# KiCad board fpgaboard.kicad_pcb (continued)
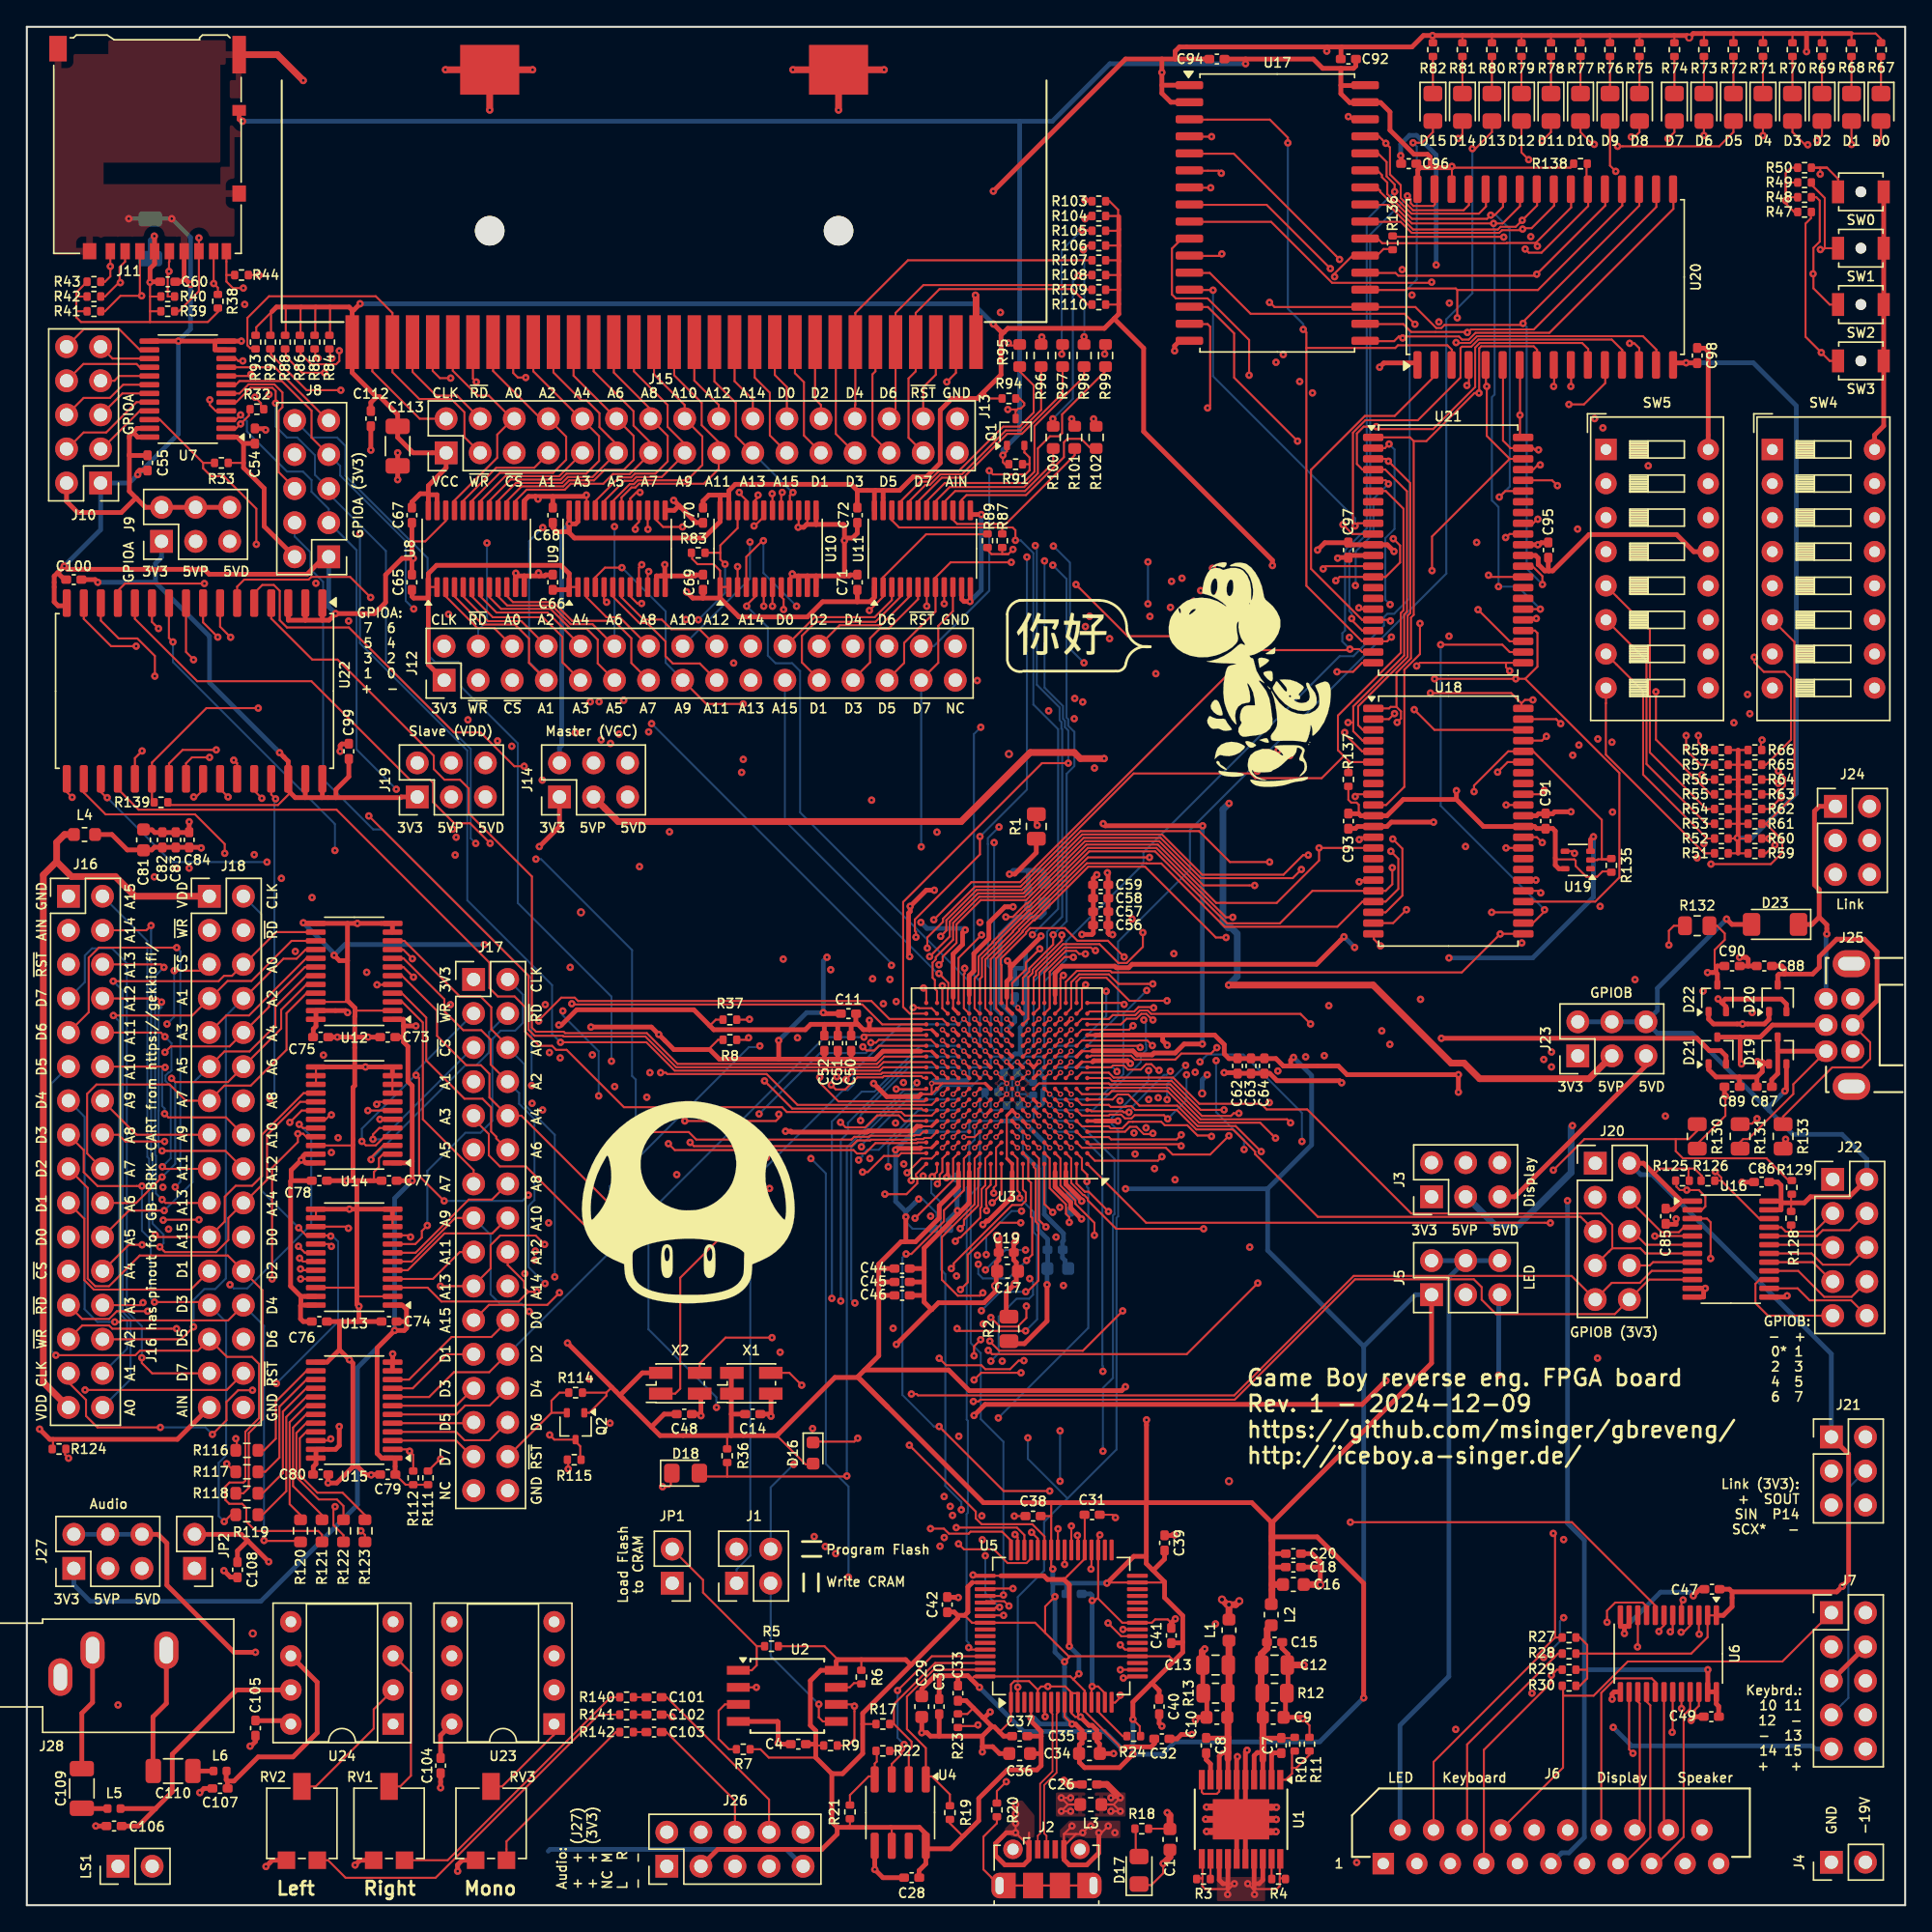
[diagram p0: board, top side]
## Routing (per net, layer and track width the routed paths; a pad name or vN(x,y) marks a point on that pad's centre or on a via; arc(x,y) is an arc through that point) (continued)
VCC: length 352.6
  Top w0.15: 19.3,116.95 19.3,119.1 19.29,119.11 ; 81.39,121.5 80.35,121.5 ; 17.1,116.95 17.1,117.61 18.27,118.78 18.2,118.71 18.2,116.95 ; 80.35,122.6 81.34,122.6 81.39,122.55 ; 80.35,123.7 81.39,123.7 ; 80.35,120.4 81.39,120.4 ; 81.39,119.35 81.34,119.3 80.35,119.3 ; 80.35,125.9 81.34,125.9 ; 81.34,125.9 81.39,125.85 ; 81.34,125.9 81.34,126.36 80.7,127 80.35,127 ; 72.75,112.3 71.76,112.3 71.3,112.76 ; 22.6,116.95 22.6,119.1 22.59,119.11 ; 20.44,119.11 20.4,119.07 20.4,116.95 ; 21.54,119.11 21.5,119.07 21.5,116.95 ; 80.35,124.8 81.29,124.8 81.39,124.9
  Top w0.35: 29.92,104.36 29.92,104.47 ; 29.92,104.36 29.92,103.95 ; 29.92,104.36 29.92,104.47 ; 29.92,104.47 29.92,105.2 ; 25.64,111.35 25.64,112 26.04,112.4 26.04,112.43 ; 81.04,118.25 83.24,116.05 83.24,109.84 92.84,100.24 v1(92.84,99.85) ; 81.04,118.25 81.39,118.6 81.39,125.85 ; 81.04,118.25 80.32,117.53 73.12,117.53 72.84,117.25 ; v1(24.84,119.36) 24.36,118.89 24.25,118.89 ; 51.7,105.1 52.22,105.1 52.33,105.2 ; 51.7,105.1 51.67,105.08 U10.24 51.67,103.12 50.45,101.9 40.81,101.9 40.43,102.28 v1(40.43,102.96) ; 51.7,105.1 50.84,105.1 50.4,104.66 50.4,104.15 ; 30.58,103.95 30.58,105.12 30,105.12 29.92,105.2 ; 61.89,105.45 61.44,105.9 52.8,105.9 52.33,105.42 52.33,105.2 ; 61.89,105.45 61.9,105.44 61.9,104.15 ; 61.89,105.45 63.24,105.45 ; 72.84,117.25 72.64,117.25 v1(72.04,117.85) ; 72.84,117.25 72.61,117.02 72.61,114.07 70.84,112.3 68.95,112.3 68.08,111.43 68.08,107.49 67.05,106.46 66.06,106.46 65.05,105.45 63.8,105.45 ; 52.33,105.2 52.33,103.95 ; 29.92,105.2 29.32,105.2 28.7,104.58 28.7,104.15 ; 29.92,105.2 29.92,105.8 31.25,107.12 J13.1 28.79,108.25 27.64,109.4 27.64,111.1 26.31,112.43 26.04,112.43 ; 63.24,105.45 63.8,105.45 ; 63.24,105.45 63.17,105.38 63.17,103.95 ; 24.25,118.89 24.02,119.11 18.6,119.11 18.27,118.78 ; 24.25,118.89 J15.1 24.25,114.22 26.04,112.43 ; 40.42,103.95 40.42,103.54 ; 40.42,103.54 40.42,103.43 ; 40.42,103.54 40.42,103.43 ; 40.42,103.12 40.42,102.96 v1(40.43,102.96) ; 40.42,103.12 40.42,103.43 ; 40.42,103.12 40.42,103.12 40.42,102.36 39.51,102.36 39.2,102.67 39.2,103.05 ; 63.8,105.45 63.83,105.42 63.83,103.95 ; 126.33,67.27 v1(126.06,67.55) ; 126.33,67.27 126.65,66.95 D22.2 ; 126.33,67.27 126.59,67.54 130.77,67.54 131.15,67.15 D20.2 ; v1(40.43,102.96) 40.91,102.96 41.08,103.12 41.08,103.95 ; 51.67,104.36 51.67,104.47
  In1.Cu w0.35: v1(103.88,67.52) 92.99,78.4 92.99,85.8 v1(93.27,86.08) 93.27,99.42 v1(92.84,99.85)
  In2.Cu w0.35: v1(103.88,67.52) 126.03,67.52 v1(126.06,67.55) ; J14.2 J14.4 J14.6 45.46,85.14 47.11,86.79 71.52,86.79 71.56,86.83 92.51,86.83 v1(93.27,86.08) ; v1(40.43,102.96) 40.16,103.23 37.11,103.23 32.1,108.25 J13.1
  Bottom w0.35: J14.2 39.7,86.27 39.87,86.43 39.87,102.39 v1(40.43,102.96) ; v1(72.04,117.85) 70.53,119.36 v1(24.84,119.36)
VDD: length 201
  Top w0.35: v1(23.29,35.68) 23.29,34.26 23.01,33.97 21.55,33.97 21.55,32.88 21.35,32.68 21.35,32.1 ; v1(20.45,55.54) 20.57,55.54 20.78,55.33 21.55,55.33 ; v1(20.45,55.54) 20.59,55.68 20.59,55.83 20.74,55.97 21.55,55.97 ; v1(20.45,55.54) 19.7,54.79 19.7,54 ; 20.42,45.38 20.42,44.72 ; 20.42,45.38 21.55,45.38 ; 20.42,45.38 19.66,46.14 19.66,53.96 19.7,54 ; 20.42,44.72 21.55,44.72 ; 20.42,44.72 20.4,44.7 20.4,43.7 20.6,43.5 21.25,43.5 ; 21.35,64.7 21.35,65.3 21.55,65.5 21.55,66.67 23.76,66.67 v1(23.91,66.53) ; D21.2 126.65,63.29 126.25,63.69 125.41,63.69 124.49,64.61 v1(105.43,64.61) ; 19.7,54 21.25,54
  In1.Cu w0.35: v1(23.29,35.68) 23.29,36.07 23.43,36.2 23.43,50.13 23.03,50.53 23.03,55.37 ; v1(105.43,64.61) 105.43,70.22 102.28,73.38 102.28,74.87 95.39,81.77 95.39,86.75 v1(95.11,87.02) ; 23.03,55.37 24.03,56.37 24.03,66.4 v1(23.91,66.53) 23.91,67.22 26.04,69.36 26.04,82.49 28.69,85.15 29.1,85.15 J19.2 ; 23.03,55.37 20.62,55.37 v1(20.45,55.54)
  In2.Cu w0.35: J19.2 J19.4 J19.6 35.77,85.14 36.93,86.29 43.02,86.29 43.27,86.04 43.73,86.04 44.08,86.39 46.07,86.39 46.92,87.25 71.33,87.25 71.38,87.3 94.84,87.3 v1(95.11,87.02)
/Bank0: Display, Keyboard, Clock/BAT_LED: length 49.5
  Bottom w0.35: J5.4 J5.6 ; J5.4 105.99,46.79 105.99,17.05 102.35,13.41 J6.2 ; J5.4 J5.2
/Bank0: Display, Keyboard, Clock/DISP_ALTSIG: length 71.3
  Top w0.15: v1(123.45,22.75) 123.32,22.62 123.32,21.6 ; v3(76.24,57.25) U3.D5
  In1.Cu w0.15: v1(123.45,22.75) 123.12,22.75 117.07,28.8 v1(117.07,40.78)
  In2.Cu w0.15: v3(76.24,57.25) 76.64,57.65 80.64,57.65 82.15,56.14 82.15,55.22 83.39,53.98 83.39,53.74 87.37,49.76 87.37,49.76 96.35,40.78 v1(117.07,40.78)
/Bank0: Display, Keyboard, Clock/DISP_CLK: length 63.5
  Top w0.15: v1(79.57,49.93) 79.57,50.86 78.15,52.28 78.15,52.53 77.04,53.64 77.04,55.65 U3.B4 ; 122.03,21.6 122.03,20.85 121.65,20.48 v1(121.65,20.4)
  In2.Cu w0.15: v1(79.57,49.93) 109.04,20.47 117.79,20.47 118.43,21.1 120.95,21.1 v1(121.65,20.4)
/Bank0: Display, Keyboard, Clock/DISP_CTRL: length 63.8
  Top w0.15: v1(120.05,19.25) 120.07,19.28 120.07,21.6 ; U3.A5 75.84,52.27 v1(76.46,51.65)
  In2.Cu w0.15: v1(120.05,19.25) 114.02,19.25 113.8,19.47 113.4,19.47 113.18,19.25 109.05,19.25 78.11,50.19 77.3,50.19 76.46,51.03 v1(76.46,51.65)
/Bank0: Display, Keyboard, Clock/DISP_D0: length 63.5
  Top w0.15: 120.72,21.6 120.72,22.27 120.44,22.55 118.39,22.55 117.78,21.95 v1(117.78,21.09) ; U3.B5 76.24,55.65 76.24,53.44 77.45,52.23 77.45,51.53 77.7,51.28 v1(77.7,50.89)
  In2.Cu w0.15: v1(117.78,21.09) 117.41,20.72 110.93,20.72 80.95,50.69 78.28,50.69 78.08,50.89 v1(77.7,50.89)
/Bank0: Display, Keyboard, Clock/DISP_D1: length 68
  Top w0.15: 121.38,21.6 121.38,22.33 115.16,28.55 v1(98.65,28.55) ; U3.E6 v3(75.44,58.05)
  In1.Cu w0.15: v3(75.44,58.05) 75.84,57.65 75.84,51.34 76.41,50.77 76.41,50.16 76.26,50.01 76.26,47.19 v1(77.26,46.19)
  In2.Cu w0.15: v1(77.26,46.19) 81.01,46.19 v1(98.65,28.55)
/Bank0: Display, Keyboard, Clock/DISP_HSYNC: length 211
  Top w0.15: v1(124.65,20.2) 124.62,20.22 124.62,21.6 ; U3.C5 v3(76.24,56.45)
  In1.Cu w0.15: v1(77,52.02) 76.24,52.77 v3(76.24,56.45)
  In2.Cu w0.15: v1(77,52.02) 77.11,51.9 80.14,51.9 80.42,52.18 80.82,52.18 110.95,22.05 124.34,22.05 125.62,20.77 136.99,20.77 138.07,19.69 138.07,16.29 137.47,15.69 136.61,15.69 136.01,16.29 136.01,17.15 135.11,18.05 115.22,18.05 113.82,16.66 107.94,16.66 85.28,39.31 80,39.31 79.73,39.59 79.73,39.98 80,40.26 85.04,40.26 107.92,17.38 113.21,17.38 114.38,18.55 123,18.55 v1(124.65,20.2)
/Bank0: Display, Keyboard, Clock/DISP_LATCH: length 61.3
  Top w0.15: U3.A2 78.24,53.79 78.85,53.18 79.15,53.18 v1(80.62,51.7) ; v1(122.5,20.37) 122.68,20.55 122.68,21.6
  In2.Cu w0.15: v1(122.5,20.37) 121.33,21.54 117.59,21.54 117.02,20.97 111.35,20.97 v1(80.62,51.7)
/Bank0: Display, Keyboard, Clock/DISP_VSYNC: length 72.5
  Top w0.15: U3.A1 83.43,50.86 113.15,50.86 113.16,50.85 v1(113.55,50.85) ; v1(123.3,20.35) 123.48,20.35 123.97,20.84 123.97,21.6
  In1.Cu w0.15: v1(123.3,20.35) 123.3,20.53 113.55,30.28 v1(113.55,50.85)
/Bank0: Display, Keyboard, Clock/GBCLK: length 43.4
  Top w0.15: U3.C8 v3(73.84,56.45) ; 50.08,39.67 50.15,39.75 50.15,40.38 52.08,42.3 v1(55.54,42.3)
  In1.Cu w0.15: v1(74.75,46.7) 74.65,46.7 73.99,47.36 73.99,49.05 74.2,49.26 74.2,50.08 73.55,50.72 73.55,53.42 73.84,53.71 v3(73.84,56.45)
  In2.Cu w0.15: v1(71.85,40.55) 71.65,40.35 69.58,40.35 67.62,42.3 v1(55.54,42.3)
  Bottom w0.15: v1(71.85,40.55) 72.43,41.13 72.43,43.86 73.77,45.2 74.7,45.2 75,45.5 75,46.45 v1(74.75,46.7)
/Bank0: Display, Keyboard, Clock/GBCLK_ENA: length 39.9
  Top w0.15: 47.92,38.12 48.33,38.12 48.7,38.5 48.7,46.76 v1(55.36,53.42) ; U3.F9 v3(72.24,58.85)
  In2.Cu w0.15: v3(72.24,58.85) 71.84,58.45 71.84,56.18 68.97,53.31 67.33,53.31 67.02,53.62 66.19,53.62 66.13,53.56 55.89,53.56 55.75,53.42 v1(55.36,53.42)
/Bank0: Display, Keyboard, Clock/P10: length 107.1
  Top w0.15: 114.5,15.85 114.5,15.61 116.78,15.61 119.33,18.16 130.85,18.16 134.49,21.8 J7.1 ; 114.5,15.85 114.5,16.35 ; 114.5,15.85 114.5,10.25 J6.8 ; U3.C3 v3(77.84,56.45)
  In2.Cu w0.15: J7.1 134.48,21.8 130.12,26.16 109.8,26.16 79.51,56.45 v3(77.84,56.45)
/Bank0: Display, Keyboard, Clock/P11: length 102.3
  Top w0.15: 114.5,19.95 113.9,19.95 ; 113.9,19.95 113.9,27.57 v1(113.77,27.71) ; 113.9,19.95 112.6,18.64 112.6,18.43 104.85,10.68 J6.4 ; v3(77.84,57.25) U3.D3
  In2.Cu w0.15: J7.2 137.04,22.96 132.29,27.71 v1(113.77,27.71) 109.11,27.71 107.22,29.6 103.89,32.93 98.45,38.38 98.39,38.38 83.13,53.63 83.13,53.88 81.9,55.12 81.9,55.99 80.64,57.25 v3(77.84,57.25)
/Bank0: Display, Keyboard, Clock/P12: length 103.1
  Top w0.15: J6.7 108.6,11.58 113.63,16.6 v1(113.63,17.13) 114.05,17.55 114.5,17.55 ; v3(76.24,58.05) U3.E5
  In2.Cu w0.15: J7.3 133.54,18.3 114.8,18.3 v1(113.63,17.13) 107.82,17.13 85.16,39.79 v1(80.2,39.79)
  Bottom w0.15: v1(80.2,39.79) 80.2,40.18 80.17,40.21 80.17,55.72 78.24,57.65 76.64,57.65 v3(76.24,58.05)
/Bank0: Display, Keyboard, Clock/P13: length 102
  Top w0.102: U3.D4 v3(77.04,57.25)
  Top w0.15: 113.8,18.43 107.35,11.98 J6.6 ; 113.8,18.43 113.78,18.43 113.6,18.61 v1(113.6,19) ; 113.8,18.43 114.12,18.75 114.5,18.75
  In1.Cu w0.15: v1(114.54,27.25) v1(114.54,21.43)
  In2.Cu w0.15: v1(114.54,21.43) 114.91,21.79 124.24,21.79 125.52,20.51 135.12,20.51 135.77,19.87 135.77,18 137.04,16.73 J7.6 ; v3(77.04,57.25) 77.44,56.85 79.56,56.85 109.16,27.25 v1(114.54,27.25) 114.51,27.22
  Bottom w0.15: v1(114.54,21.43) 114.27,21.15 114.27,19.67 v1(113.6,19)
/Bank0: Display, Keyboard, Clock/P15: length 106
  Top w0.15: U3.C4 v3(77.04,56.45)
  In1.Cu w0.15: v1(113.05,18.46) 113.05,6.87 113.54,6.38 113.54,5.12 111.52,3.1 J6.9 ; v3(77.04,56.45) 77.04,52.64 77.45,52.23 77.45,51.8 76.71,51.07 v1(76.71,49.8)
  In2.Cu w0.15: v1(113.05,18.46) 109.38,18.46 77.89,49.94 77.24,49.94 77.1,49.8 v1(76.71,49.8) ; J7.8 137.03,14.18 135.76,12.91 134.05,12.91 125.33,4.19 115.59,4.19 114.85,3.45 114.85,2.52 114.29,1.96 112.24,1.96 J6.9
/Bank0: Display, Keyboard, Clock/XDISP_ALTSIG: length 16.7
  Top w0.15: v1(122.63,12.89) 122.68,12.93 122.68,15.9
  In1.Cu w0.15: v1(122.63,12.89) 120.6,12.89 116.1,8.38 J6.13
/Bank0: Display, Keyboard, Clock/XDISP_CLK: length 15.6
  Top w0.15: 121.38,15.9 121.38,15.91 121.38,16.63 121.11,16.91 118.43,16.91 117.35,15.83 J6.14
/Bank0: Display, Keyboard, Clock/XDISP_CTRL: length 14.5
  Top w0.15: 119.43,15.9 119.43,11.61 v1(119.71,11.32)
  In1.Cu w0.15: J6.19 123.6,7.43 v1(119.71,11.32)
/Bank0: Display, Keyboard, Clock/XDISP_D0: length 10.5
  Top w0.15: J6.16 120.22,5.97 120.22,15.03 120.07,15.17 120.07,15.9
/Bank0: Display, Keyboard, Clock/XDISP_D1: length 14.2
  Top w0.15: J6.15 119.05,3.1 121,5.05 121,14.89 120.72,15.17 120.72,15.9
/Bank0: Display, Keyboard, Clock/XDISP_HSYNC: length 14.2
  Top w0.15: J6.17 121.11,3.09 121.5,3.09 123.49,5.08 123.49,14.15 123.97,14.64 123.97,15.9
/Bank0: Display, Keyboard, Clock/XDISP_LATCH: length 10.4
  Top w0.15: J6.18 122.03,5.93 122.03,15.9
/Bank0: Display, Keyboard, Clock/XDISP_VSYNC: length 14.8
  Top w0.15: v1(123.33,14.66) 123.32,14.67 123.32,15.9
  In1.Cu w0.15: J6.12 114.85,7.78 120.34,13.28 121.95,13.28 v1(123.33,14.66)
/Bank1: GPIOA/GPIO_A0: length 94.6
  Top w0.15: 14.85,110.72 15.58,110.72 15.93,111.08 v1(15.93,111.08) ; v3(70.64,60.45) U3.H11
  In1.Cu w0.15: v1(27.54,83.17) 27.54,81.64 38.64,70.54 v1(38.64,67.12) ; v3(70.64,60.45) 70.24,60.05 66.63,60.05 65.8,60.88 65.8,66.35 64.8,67.35 v1(64.8,67.35)
  In2.Cu w0.15: v1(64.8,67.35) 64.45,67.7 40.46,67.7 39.88,67.12 v1(38.64,67.12)
  Bottom w0.15: v1(15.93,111.08) 16.4,110.61 16.4,109.85 19.4,106.85 20.59,106.85 21.22,106.22 21.22,105.35 22.5,104.07 J8.3 22.53,103.04 24.58,100.99 24.58,86.14 v1(27.54,83.17)
/Bank1: GPIOA/GPIO_A1: length 96.2
  Top w0.15: v1(13.64,112.2) 13.64,111.81 14.08,111.38 14.85,111.38 ; U3.H13 v3(69.04,60.45)
  In2.Cu w0.15: v1(13.64,112.2) 13.59,112.15 13.59,109.41 J8.4 ; v1(37.62,61.09) 43.07,61.09 43.64,60.52 45.84,60.52 46.02,60.7 46.37,60.7 46.59,60.48 58,60.48 58.6,59.88 61.45,59.88 61.51,59.94 64.24,59.94 64.31,59.87 65.22,59.87 65.4,60.05 68.64,60.05 v3(69.04,60.45)
  Bottom w0.15: J8.4 19.96,102.01 21.14,100.83 21.14,99.58 22.08,98.63 22.08,83.91 25.82,80.18 26.5,80.18 37.62,69.06 v1(37.62,61.09)
/Bank1: GPIOA/GPIO_A2: length 91.3
  Top w0.15: 14.85,112.03 15.61,112.03 16.68,113.1 18.3,113.1 18.54,112.86 v1(18.54,111.95) ; U3.J16 66.81,61.65 66.67,61.79 63.87,61.79 63.78,61.7 61.9,61.7 61,60.8 60.29,60.8 v1(59.96,61.14)
  In1.Cu w0.15: v1(59.96,61.14) 59.96,61.52 59.89,61.59 59.89,69.31 59.92,69.34 v1(59.92,69.73)
  In2.Cu w0.15: v1(59.92,69.73) 42.87,69.73 v1(33.46,79.14)
  Bottom w0.15: v1(33.46,79.14) 33.08,79.51 33.08,86.17 26.76,92.49 26.76,100.93 22.5,105.19 J8.5 21.47,106.61 21.47,108.07 20.16,109.39 19.38,109.39 18.54,110.22 v1(18.54,111.95)
/Bank1: GPIOA/GPIO_A3: length 90.3
  Top w0.15: 14.85,112.67 15.85,112.67 16.52,113.35 18.45,113.35 19.05,112.75 19.05,111.65 18.76,111.36 18.76,106.82 19.96,105.62 J8.6 ; U3.J13 v3(69.04,62.05)
  In1.Cu w0.15: v1(60.37,61.75) 60.37,72.1 44.16,88.32 43.38,88.32 v1(42,89.69)
  In2.Cu w0.15: J8.6 21.35,104.19 21.35,99.46 21.58,99.23 21.96,99.23 28.7,92.5 34.28,92.5 34.9,91.88 34.9,90.67 35.87,89.69 v1(42,89.69) ; v3(69.04,62.05) 68.64,62.45 63.89,62.45 63.64,62.19 60.82,62.19 v1(60.37,61.75)
/Bank1: GPIOA/GPIO_A4: length 93
  Top w0.15: 14.85,113.33 15.58,113.33 15.85,113.6 19.01,113.6 21.22,111.39 21.22,109.39 22.49,108.12 J8.7 ; U3.J14 v3(68.24,62.05)
  In1.Cu w0.15: v1(46.44,62.05) 44.78,63.71 44.78,77.65 40.88,81.55 40.88,83.59 40.68,83.79 39.12,83.79 36.6,86.31 36.6,86.57 32.38,90.78 32.38,92.48 32.23,92.63 30.46,92.63 28.84,94.26 v1(28.84,96.61)
  In2.Cu w0.15: v3(68.24,62.05) 64.59,62.05 63.23,60.69 61.19,60.69 61.13,60.64 59.09,60.64 57.84,61.89 54.64,61.89 54.29,61.53 46.96,61.53 v1(46.44,62.05)
  Bottom w0.15: v1(28.84,96.61) 28.24,97.21 28.24,101.67 23.35,106.56 23.35,107.27 J8.7
/Bank1: GPIOA/GPIO_A5: length 90.2
  Top w0.15: 14.85,113.97 16.58,113.97 v1(16.7,114.1) ; v1(39.78,64.31) 46.18,64.31 48.29,62.2 63.57,62.2 63.82,62.45 U3.K16
  In1.Cu w0.15: v1(16.7,114.1) 17.49,113.31 17.49,112.35 17.47,112.34 17.47,111.09 19.96,108.6 J8.8
  In2.Cu w0.15: v1(24.83,102.22) 24.83,102.68 23.2,104.31 22.01,104.31 21.2,105.11 21.2,106.9 19.99,108.12 J8.8
  Bottom w0.15: v1(39.78,64.31) 39.15,64.94 39.15,68.58 32.83,74.9 32.83,86.06 24.83,94.06 v1(24.83,102.22)
/Bank1: GPIOA/GPIO_A6: length 88.6
  Top w0.15: 14.85,114.62 18.48,114.62 22.45,110.66 J8.9 ; v1(61.06,61.54) 61.47,61.95 63.68,61.95 63.77,62.04 67.45,62.04 U3.J15
  In1.Cu w0.15: v1(42.65,89.7) 43.21,89.7 60.94,71.97 60.94,61.66 v1(61.06,61.54)
  In2.Cu w0.15: J8.9 33.43,99.73 36.64,99.73 36.91,99.46 36.91,96.77 34.93,94.79 34.93,93.09 35.45,92.57 36.76,92.57 37.44,91.9 37.44,90.67 37.96,90.15 42.2,90.15 v1(42.65,89.7)
/Bank1: GPIOA/GPIO_A7: length 92.9
  Top w0.15: v1(16.1,115.1) 15.75,115.1 15.58,115.28 14.85,115.28 ; U3.K14 v3(68.24,62.85)
  In2.Cu w0.15: v1(43.57,62.91) 43.98,62.51 63.59,62.51 63.94,62.85 v3(68.24,62.85) ; J8.10 19.96,111.86 16.72,115.1 v1(16.1,115.1)
  Bottom w0.15: J8.10 19.97,110.66 21.24,109.39 23.12,109.39 23.75,108.76 23.75,106.53 29.87,100.42 29.87,93.22 30.43,92.65 32.17,92.65 32.38,92.44 32.38,90.81 36.6,86.6 36.6,74.7 43.57,67.72 v1(43.57,62.91)
/Bank1: GPIOA/GPIO_A_DIR: length 93.2
  Top w0.15: v1(66.07,66.9) 66.45,66.9 66.5,66.85 67.44,66.85 U3.R15 ; 14.85,110.08 15.6,110.08 v1(15.93,110.41) 16.55,111.02 16.55,111.5
  In1.Cu w0.15: v1(25.33,69.53) 17.42,77.44 17.42,81.85 16.74,82.54 16.74,96.09 16.61,96.22 16.61,109.73 v1(15.93,110.41)
  In2.Cu w0.15: v1(25.33,69.53) 25.3,69.5 25.3,68.7 26.72,67.28 27.89,67.28 29.83,65.34 38.39,65.34 39.2,66.15 40.4,66.15 41.23,66.98 59.58,66.98 59.93,66.63 65.79,66.63 v1(66.07,66.9)
/Bank1: GPIOA/GPIO_A_~{OE}: length 95.4
  Top w0.15: 9.15,110.72 9.91,110.72 13.14,107.5 ; U3.R14 68.24,66.85 v1(68.24,68.53) ; v1(17.11,101.43) 17.11,104.08 14.69,106.5 13.74,106.5 13.14,107.1 13.14,107.5 ; 13.14,107.5 14.05,107.5
  In1.Cu w0.15: v1(21.26,75.1) 21.18,75.18 21.18,97.36 v1(17.11,101.43)
  In2.Cu w0.15: v1(21.26,75.1) 28.78,67.57 39.25,67.57 39.63,67.95 65.68,67.95 65.79,67.84 67.54,67.84 v1(68.24,68.53)
/Bank1: GPIOA/XGPIO_A0: length 4.8
  Top w0.15: 9.15,111.38 8.42,111.38 5.59,108.54 J10.3
/Bank1: GPIOA/XGPIO_A1: length 7.6
  Top w0.15: J10.4 3.01,108.54 4.23,109.77 5.91,109.77 8.17,112.03 9.15,112.03
/Bank1: GPIOA/XGPIO_A2: length 4.3
  Top w0.15: 9.15,112.67 7.12,112.67 5.53,111.08 J10.5
/Bank1: GPIOA/XGPIO_A3: length 7.1
  Top w0.15: J10.6 2.97,111.08 4.23,112.34 6.19,112.34 7.18,113.33 9.15,113.33
/Bank1: GPIOA/XGPIO_A4: length 3.8
  Top w0.15: J10.7 6.53,113.62 6.88,113.97 9.15,113.97
/Bank1: GPIOA/XGPIO_A5: length 6.8
  Top w0.15: 9.15,114.62 8.42,114.62 8.18,114.87 4.22,114.87 2.97,113.62 J10.8
/Bank1: GPIOA/XGPIO_A6: length 4
  Top w0.15: J10.9 6.39,115.28 9.15,115.28
/Bank1: GPIOA/XGPIO_A7: length 7.4
  Top w0.15: 9.15,115.92 8.42,115.92 6.89,117.46 4.25,117.46 2.96,116.17 J10.10
/Bank2: SDCard/SDCARD_CLK: length 101.7
  Top w0.15: 10.95,119.9 10.5,119.9 10.5,121.68 v1(10.6,121.78) 10.6,122.47 10.62,122.5 J11.5 ; U3.M12 v3(69.84,64.45)
  In1.Cu w0.15: v3(69.84,64.45) 69.44,64.85 67.91,64.85 66.99,65.77 66.99,67.35 64.44,69.9 v1(64.44,70.05)
  In2.Cu w0.15: v1(46.56,88.06) 44.57,88.06 43.39,89.24 34.05,89.24 33.02,90.27 30.18,90.27 24.5,95.95 24.5,96.34 21.86,98.98 21.47,98.98 21.03,99.42 21.03,100.89 20.16,101.77 19.34,101.77 12.65,108.45 12.65,114.14 6.52,120.28 6.52,121.24 7.05,121.78 v1(10.6,121.78)
  Bottom w0.15: v1(46.56,88.06) 46.57,88.06 64.44,70.19 v1(64.44,70.05)
/Bank2: SDCard/SDCARD_CMD: length 107.7
  Top w0.15: v1(66.83,68.36) 67.04,68.15 U3.T16 ; 8.42,119.95 v1(8.56,119.95) ; 8.42,119.95 J11.3 ; 8.42,119.95 6.98,119.95 5.83,118.8 5.45,118.8
  In1.Cu w0.15: v1(16.95,78.3) 16.71,78.54 16.71,82.22 16.49,82.44 16.49,95.99 16.36,96.12 16.36,108.69 12.95,112.1 12.95,115.56 v1(8.56,119.95)
  In2.Cu w0.15: v1(16.95,78.3) 18.71,78.3 28.13,68.89 28.13,68.78 29.09,67.82 39.15,67.82 39.68,68.36 v1(66.83,68.36)
/Bank3: LEDs, Switches/DipSW0: length 86.5
  Top w0.15: 129.25,86.1 129.25,86.76 v1(129.33,86.85) ; U3.K3 v3(77.84,62.85)
  In1.Cu w0.15: SW4.1 128.93,108.5 128.05,107.62 128.05,90.45 v1(128.25,90.24)
  In2.Cu w0.15: 129.27,86.85 129.27,89.23 v1(128.25,90.24) ; 129.27,86.85 128.99,86.57 119.22,86.57 108.51,75.86 101.47,75.86 98.24,72.63 97.99,72.63 90.26,64.91 88.22,64.91 88.2,64.89 84.79,64.89 84.67,64.77 83.6,64.77 83.49,64.66 83.42,64.66 83.16,64.41 82.2,64.41 80.64,62.85 v3(77.84,62.85) ; 129.27,86.85 v1(129.33,86.85)
/Bank3: LEDs, Switches/DipSW1: length 93.6
  Top w0.15: 129.25,85 129.63,85 131.49,86.87 131.49,91.46 131.02,91.93 129.46,91.93 128.75,92.64 v1(128.75,93.01) ; v1(84.39,62.23) 84.27,62.23 83.82,62.68 83.42,62.68 83.02,62.28 82.07,62.28 81.76,62.59 80.95,62.59 80.82,62.45 U3.K1
  In1.Cu w0.15: SW4.2 130.09,105.96 128.75,104.62 v1(128.75,93.01) ; v1(84.39,62.23) 85.49,63.33 v1(85.49,70.92)
  In2.Cu w0.15: v1(128.75,93.01) 127.21,94.55 114.82,94.55 103.94,83.68 97.92,83.68 93.56,79.33 85.77,71.53 85.77,71.19 v1(85.49,70.92)
/Bank3: LEDs, Switches/DipSW2: length 96.9
  Top w0.15: v1(88.3,57.3) 88.23,57.37 87.26,57.37 86.49,58.13 84.81,58.13 84.55,58.39 82.44,58.39 82.44,58.39 82.13,58.39 81.64,57.9 80.79,57.9 80.64,58.05 78.64,58.05 U3.E2 ; v1(130.56,83.61) 130.27,83.9 129.25,83.9
  In1.Cu w0.15: 131.13,83.48 131.75,84.1 131.75,101.77 SW4.3 ; 131.13,83.48 131.27,83.34 131.27,69.2 v1(128.6,66.53) ; 131.13,83.48 130.69,83.48 v1(130.56,83.61)
  In2.Cu w0.15: v1(128.6,66.53) 128.25,66.88 97.92,66.88 96.23,65.19 95.35,65.19 92.5,62.34 92.5,61.86 88.34,57.69 88.34,57.34 v1(88.3,57.3)
/Bank3: LEDs, Switches/DipSW3: length 96.6
  Top w0.15: U3.H5 v3(76.24,60.45) ; 129.25,82.8 130.19,82.8 130.55,83.16 130.77,83.16 131.04,83.43 131.04,84.04 v1(130.55,84.52)
  In1.Cu w0.15: SW4.4 130.1,100.82 131.49,99.43 131.49,85.46 v1(130.55,84.52)
  In2.Cu w0.15: SW4.4 128.88,102.1 123.97,102.1 118.94,97.07 114.94,97.07 101.81,83.93 97.81,83.93 84.84,70.95 84.84,70.38 83.47,69.01 v1(83.47,68.18)
  Bottom w0.15: v1(83.47,68.18) 81.73,66.43 81.73,61.94 79.84,60.05 76.64,60.05 v3(76.24,60.45)
/Bank3: LEDs, Switches/DipSW4: length 85.4
  Top w0.15: v1(130.76,82.55) 129.91,81.7 129.25,81.7 ; U3.E3 v3(77.84,58.05)
  In1.Cu w0.15: v1(82.6,55.99) 83.42,56.81 v1(83.42,57.94)
  In2.Cu w0.15: v1(83.42,57.94) 84.56,59.09 88,59.09 89.66,60.75 89.96,60.75 90.42,61.21 90.42,61.77 95.39,66.74 97.79,69.14 117.74,69.14 130.76,82.16 v1(130.76,82.55) 131.82,83.61 131.82,96.64 130.12,98.34 SW4.5 ; v3(77.84,58.05) 80.62,58.05 82.6,56.07 v1(82.6,55.99)
/Bank3: LEDs, Switches/DipSW5: length 82.8
  Top w0.15: U3.G4 v3(77.04,59.65) ; 129.63,80.6 129.25,80.6 ; 129.63,80.6 130.84,79.39 130.84,78.45 129.99,77.6 v1(125.53,77.6) ; 129.63,80.6 131.75,82.72 131.75,94.15 SW4.6
  In2.Cu w0.15: v1(125.53,77.6) 117.33,69.4 97.69,69.4 90.17,61.88 90.17,61.31 89.86,61 89.56,61 87.9,59.34 82.54,59.34 82.33,59.55 81.96,59.55 81.66,59.25 77.44,59.25 v3(77.04,59.65)
/Bank3: LEDs, Switches/DipSW6: length 75.9
  Top w0.15: v1(83.93,57.53) 83.87,57.47 83.25,57.47 82.71,58.01 82.22,58.01 81.86,57.65 U3.D1 ; 129.25,79.5 v1(129.84,79.5)
  In1.Cu w0.15: SW4.7 130.1,93.18 128.96,92.04 128.96,89.76 128.88,89.67 128.88,80.46 v1(129.84,79.5)
  In2.Cu w0.15: v1(129.84,79.5) 129.27,79.5 118.66,68.89 97.9,68.89 90.67,61.67 90.67,61.1 90.07,60.5 89.77,60.5 88.01,58.74 85.86,58.74 84.64,57.53 v1(83.93,57.53)
/Bank3: LEDs, Switches/DipSW7: length 83.8
  Top w0.15: U3.G5 v3(76.24,59.65) ; 129.25,78.4 129.63,78.4 130.24,79.01 v1(130.29,79.01)
  In1.Cu w0.15: SW4.8 130.1,83.43 130.29,83.23 v1(130.29,79.01)
  In2.Cu w0.15: v1(83.25,65.98) 83.53,66.26 83.53,67.46 89.43,73.37 89.43,73.82 89.7,74.08 90.72,74.08 92.48,75.84 92.48,76.23 97.89,81.64 105.76,81.64 113.18,89.06 125.86,89.06 127.53,90.72 SW4.8
  Bottom w0.15: v1(83.25,65.98) 83.25,65.87 83.4,65.72 83.4,64.15 83.44,64.12 83.44,63.73 83.03,63.32 83.03,62.84 79.44,59.25 76.64,59.25 v3(76.24,59.65)
/Bank3: LEDs, Switches/DipSW8: length 97.9
  Top w0.15: v1(86.04,57.42) 85.7,57.08 80.81,57.08 80.64,57.25 78.64,57.25 U3.D2 ; 125.85,86.1 125.15,86.1 124.59,86.66 v1(124.59,87.18)
  In1.Cu w0.15: SW5.1 116.67,108.5 116.3,108.13 116.3,104.91 116.09,104.7 116.09,102.43 115.48,101.83 115.48,88.54 v1(117.09,86.92) 117.46,86.56 117.46,76.58 113.06,72.19 v1(113.06,63.03)
  In2.Cu w0.15: v1(117.09,86.92) 117.86,87.69 124.08,87.69 v1(124.59,87.18) ; v1(86.04,57.42) 86.96,56.5 89.45,56.5 90.58,57.63 92.15,57.63 97.55,63.03 v1(113.06,63.03)
/Bank3: LEDs, Switches/DipSW9: length 93.1
  Top w0.15: U3.F4 v3(77.04,58.85) ; v1(123.68,87.18) 123.68,86.1 124.77,85 125.85,85
  In1.Cu w0.15: v1(83.62,60.05) 83.62,58.9 82.52,57.8 v1(82.52,57.56) 82.6,57.64 ; 117.97,86.68 117.97,86.74 115.74,88.98 115.74,101.72 116.34,102.33 116.34,104.6 SW5.2 ; 117.97,86.68 v1(118.14,86.68) ; 117.97,86.68 117.74,86.44 117.74,79.83 117.98,79.59 117.98,75.16 v1(117.26,74.44)
  In2.Cu w0.15: v1(117.26,74.44) 112.47,69.65 97.58,69.65 89.19,61.25 89.19,60.99 87.79,59.59 84.08,59.59 v1(83.62,60.05) ; v1(82.52,57.56) 81.53,57.56 80.64,58.45 77.44,58.45 v3(77.04,58.85) ; v1(123.68,87.18) 118.64,87.18 v1(118.14,86.68)
/Bank3: LEDs, Switches/DipSW10: length 91.6
  Top w0.15: 125.85,83.9 125.19,83.9 v1(124.84,84.25) ; v1(89.6,57.35) 88.2,55.95 85.4,55.95 84.9,56.45 80.64,56.45 80.64,56.46 80.63,56.45 78.64,56.45 U3.C2
  In1.Cu w0.15: 118.24,81.48 118.59,81.83 118.59,87.05 115.99,89.66 115.99,101.62 117.7,103.33 SW5.3 ; 118.24,81.48 118.24,74.78 113.64,70.18 v1(113.64,63.59) ; 118.24,81.48 v1(118.19,81.48)
  In2.Cu w0.15: v1(118.19,81.48) 120.96,84.25 v1(124.84,84.25) ; v1(113.64,63.59) 97.75,63.59 92.04,57.88 90.13,57.88 v1(89.6,57.35)
/Bank3: LEDs, Switches/DipSW11: length 94
  Top w0.15: v1(86.03,56.59) 85.91,56.72 79.18,56.72 U3.C1 ; v1(121.42,90.44) 121.42,86.88 125.5,82.8 125.85,82.8
  In1.Cu w0.15: 118.88,88.15 118.54,88.15 116.24,90.45 116.24,99.45 117.67,100.88 SW5.4 ; 118.88,88.15 118.88,68.76 116.84,66.71 116.84,65.27 116.04,64.48 114.6,64.48 114.42,64.3 114.42,63.27 v1(113.63,62.48) ; 118.88,88.15 119.13,88.15 v1(121.42,90.44)
  In2.Cu w0.15: v1(113.63,62.48) 97.35,62.48 92.25,57.38 90.72,57.38 89.55,56.2 86.42,56.2 v1(86.03,56.59)
/Bank3: LEDs, Switches/DipSW12: length 106.7
  Top w0.15: 125.85,81.7 125.18,81.7 120.97,85.91 120.97,95.07 SW5.5 ; U3.B1 79.6,55.49 84.3,55.49 v1(84.6,55.78)
  In1.Cu w0.15: SW5.5 122.13,93.91 122.13,72.14 121.81,71.83 121.81,59.13 v1(122.13,58.81)
  In2.Cu w0.15: v1(84.6,55.78) 89.54,55.78 90.88,57.12 92.36,57.12 94.05,58.81 v1(122.13,58.81)
/Bank3: LEDs, Switches/DipSW13: length 94.5
  Top w0.15: U3.J1 80.68,61.65 80.9,61.43 85.33,61.43 87.49,59.28 v1(89.23,59.28) ; SW5.6 120.72,92.78 120.72,85.05 125.18,80.6 125.85,80.6
  In1.Cu w0.15: v1(119.86,68.99) 119.86,70.45 121.88,72.47 121.88,91.62 SW5.6
  In2.Cu w0.15: v1(89.23,59.28) 91.01,61.06 91.01,61.66 95.04,65.68 98,68.64 119.51,68.64 v1(119.86,68.99)
/Bank3: LEDs, Switches/LED0: length 97.4
  Top w0.15: 138.2,132.9 138.2,131.66 v1(137.89,131.36) ; v3(77.04,65.25) U3.N4
  In2.Cu w0.15: v1(137.89,131.36) 131.61,125.07 130.46,125.07 114.38,109 114.38,106.75 113.58,105.94 113.58,100.76 109.93,97.12 109.93,94.2 101.73,86 97.71,86 83.33,71.61 83.33,71 81.95,69.63 81.32,69.63 79.84,68.15 79.84,67.25 78.24,65.65 77.44,65.65 v3(77.04,65.25)